# Altium PCB PCB1.PcbDoc (continued)
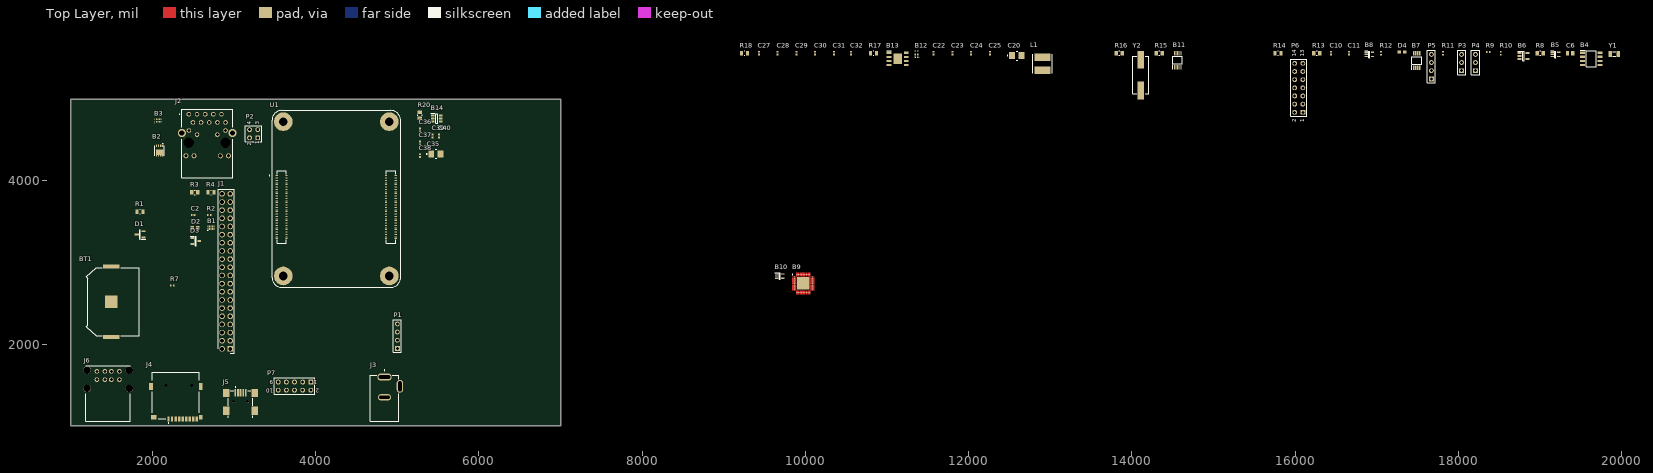
[diagram p0: Top Layer view]
## Footprints (in the part's own frame and the unit in brackets; to place one, negate y for a bottom-side part, rotate by r counter-clockwise, add the part's x,y. Pads: shape width x height; smd on the part's side, far side on the other; paste and mask are expansions set on the pad) (continued)
  Top Layer region: 2.15,3.375 2.151,2.375 2.146,2.336 2.131,2.299 2.107,2.268 2.076,2.244 2.039,2.229 2,2.224 1.961,2.229 1.924,2.244 1.893,2.268 1.869,2.299 1.854,2.336 1.849,2.375 1.85,2.375 1.85,3.375 2.15,3.375
  Top Layer region: 1.65,3.375 1.651,2.375 1.646,2.336 1.631,2.299 1.607,2.268 1.576,2.244 1.539,2.229 1.5,2.224 1.461,2.229 1.424,2.244 1.393,2.268 1.369,2.299 1.354,2.336 1.349,2.375 1.35,2.375 1.35,3.375 1.65,3.375
  Top Layer region: 1.15,3.375 1.151,2.375 1.146,2.336 1.131,2.299 1.107,2.268 1.076,2.244 1.039,2.229 1,2.224 0.961,2.229 0.924,2.244 0.893,2.268 0.869,2.299 0.854,2.336 0.849,2.375 0.85,2.375 0.85,3.375 1.15,3.375
  Top Layer region: 0.65,3.375 0.651,2.375 0.646,2.336 0.631,2.299 0.607,2.268 0.576,2.244 0.539,2.229 0.5,2.224 0.461,2.229 0.424,2.244 0.393,2.268 0.369,2.299 0.354,2.336 0.349,2.375 0.35,2.375 0.35,3.375 0.65,3.375
  Top Layer region: 0.15,3.375 0.151,2.375 0.146,2.336 0.131,2.299 0.107,2.268 0.076,2.244 0.039,2.229 0,2.224 -0.039,2.229 -0.076,2.244 -0.107,2.268 -0.131,2.299 -0.146,2.336 -0.151,2.375 -0.15,2.375 -0.15,3.375 0.15,3.375
  Top Layer region: -0.35,3.375 -0.349,2.375 -0.354,2.336 -0.369,2.299 -0.393,2.268 -0.424,2.244 -0.461,2.229 -0.5,2.224 -0.539,2.229 -0.576,2.244 -0.607,2.268 -0.631,2.299 -0.646,2.336 -0.651,2.375 -0.65,2.375 -0.65,3.375 -0.35,3.375
  Top Layer region: -0.85,3.375 -0.849,2.375 -0.854,2.336 -0.869,2.299 -0.893,2.268 -0.924,2.244 -0.961,2.229 -1,2.224 -1.039,2.229 -1.076,2.244 -1.107,2.268 -1.131,2.299 -1.146,2.336 -1.151,2.375 -1.15,2.375 -1.15,3.375 -0.85,3.375
  Top Layer region: -1.35,3.375 -1.349,2.375 -1.354,2.336 -1.369,2.299 -1.393,2.268 -1.424,2.244 -1.461,2.229 -1.5,2.224 -1.539,2.229 -1.576,2.244 -1.607,2.268 -1.631,2.299 -1.646,2.336 -1.651,2.375 -1.65,2.375 -1.65,3.375 -1.35,3.375
  Top Layer region: -1.85,3.375 -1.849,2.375 -1.854,2.336 -1.869,2.299 -1.893,2.268 -1.924,2.244 -1.961,2.229 -2,2.224 -2.039,2.229 -2.076,2.244 -2.107,2.268 -2.131,2.299 -2.146,2.336 -2.151,2.375 -2.15,2.375 -2.15,3.375 -1.85,3.375
  silkscreen extent -3.5,2.63 -3.25,2.87, body extent -3.05,-3.05 3.05,3.05, height 1
RESC1005X35N [mm]
  rect 0.49x0.6 smd: 1(-0.457,0) 2(0.457,0)
  body extent -0.5,-0.25 0.5,0.25, height 0.35
RESC2012X65N [mm]
  rect 1x1.42 smd: 1(-0.935,0) 2(0.935,0)
  silkscreen extent -0.12,-0.7 0.12,0.7, body extent -1,-0.63 1,0.63, height 0.65
SOIC127P600X163-9N [mm]
  rect 1.525x0.65 smd: 1(-2.688,1.905) 2(-2.688,0.635) 3(-2.688,-0.635) 4(-2.688,-1.905) 5(2.688,-1.905) 6(2.688,-0.635) 7(2.688,0.635) 8(2.688,1.905)
  rect 2.71x3.35 smd: 9(0,0)
  silkscreen extent -3.45,2.58 -1.92,2.58, body extent -3,-2.45 3,2.45, height 1.63
SOIC127P600X175-8N [mm]
  rect 1.55x0.7 smd: 1(-2.725,1.905) 2(-2.725,0.635) 3(-2.725,-0.635) 4(-2.725,-1.905) 5(2.725,-1.905) 6(2.725,-0.635) 7(2.725,0.635) 8(2.725,1.905)
  silkscreen extent -3.5,-2.45 1.6,2.61, body extent -3,-2.45 3,2.45, height 1.46
SOP50P490X110-10N [mm]
  rect 1.4x0.3 smd: 1(-2.2,1) 2(-2.2,0.5) 3(-2.2,0) 4(-2.2,-0.5) 5(-2.2,-1) 6(2.2,-1) 7(2.2,-0.5) 8(2.2,0) 9(2.2,0.5) 10(2.2,1)
  silkscreen extent -2.9,-1.5 1.15,1.5, body extent -2.45,-1.5 2.45,1.5, height 1.1
SOP65P490X110-8N [mm]
  rect 1.45x0.45 smd: 1(-2.225,0.975) 2(-2.225,0.325) 3(-2.225,-0.325) 4(-2.225,-0.975) 5(2.225,-0.975) 6(2.225,-0.325) 7(2.225,0.325) 8(2.225,0.975)
  silkscreen extent -2.95,-1.5 1.15,1.55, body extent -2.45,-1.5 2.45,1.5, height 1.1
SOT65P210X110-5N [mm]
  rect 1x0.4 smd: 1(-1,0.65) 2(-1,0) 3(-1,-0.65) 4(1,-0.65) 5(1,0.65)
  silkscreen extent -1.5,-1 0.15,1.1, body extent -1.05,-1 1.05,1, height 1.1
SOT94P280X100-5N [mm]
  rect 1.25x0.65 smd: 1(-1.25,0.94) 2(-1.25,0) 3(-1.25,-0.94) 4(1.25,-0.94) 5(1.25,0.94)
  silkscreen extent -1.88,-1.45 0.28,1.51, body extent -1.4,-1.45 1.4,1.45, height 1
SOT95P280X145-6N [mm]
  rect 1.15x0.6 smd: 1(-1.25,0.95) 2(-1.25,0) 3(-1.25,-0.95) 4(1.25,-0.95) 5(1.25,0) 6(1.25,0.95)
  silkscreen extent -1.83,-1.45 0.33,1.6, body extent -1.4,-1.45 1.4,1.45, height 1.45
SOT96P237X111-3N [mm]
  rect 1.25x0.6 smd: 1(-1.05,0.955) 2(-1.05,-0.955) 3(1.05,0)
  silkscreen extent -1.68,-1.46 0.08,1.51, body extent -1.18,-1.46 1.18,1.46, height 1.11
SOT96P240X115-3N [mm]
  rect 1.15x0.6 smd: 1(-1.1,0.96) 2(-1.1,-0.96) 3(1.1,0)
  silkscreen extent -1.68,-1.45 0.18,1.51, body extent -1.26,-1.5 1.39,1.5, height 1.08
SRN6045TA330M [mm]
  rect 5.1x2.35 smd: 1(0,-2.075) 2(0,2.075)
  silkscreen extent -3,-3 3,3, body extent -3,-3 3,3, height 3.94
XTAL_CM7V-T1A-32.768KHZ-12.5PF-10PPM-TB-QC [mm]
  rect 1x1.8 smd: 1(-1.25,0) 2(1.25,0)
  silkscreen extent -0.43,-0.75 0.43,0.75, body extent -1.6,-0.75 1.6,0.75, height 0.65
XTAL_FOXSDLF/240F-20 [mm]
  rect 5.5x2 smd: 1(-4.75,0) 2(4.75,0)
  silkscreen extent -5.85,-2.5 5.85,2.5, body extent -6.75,-2.5 6.75,2.5, height 4.5

## Part data
B1 B3 B12: "Texas Instruments TPD4EUSB30DQAR, USB Controller, 6Gbit/s, USB 3.0, 10-Pin SON", Manufacturer_Name="Texas Instruments", Mouser Part Number=595-TPD4EUSB30DQAR, Arrow Part Number=TPD4EUSB30DQAR, Arrow Price/Stock=https://www.arrow.com/en/products/tpd4eusb30dqar/texas-instruments?utm_currency=USD&region=nac, Datasheet Link=http://www.ti.com/lit/gpn/tpd4eusb30, Manufacturer_Part_Number=TPD4EUSB30DQAR, Mouser Price/Stock=https://www.mouser.co.uk/ProductDetail/Texas-Instruments/TPD4EUSB30DQAR?qs=Ze4%2FuFuz19JpY4uqYOLMbQ%3D%3D
B2: "Trans MOSFET P-CH 30V 12A 8-Pin PowerDI EP T/R", Manufacturer_Name="Diodes Incorporated", Mouser Part Number=621-DMP3013SFV-7, Arrow Part Number=DMP3013SFV-7, Arrow Price/Stock=https://www.arrow.com/en/products/dmp3013sfv-7/diodes-incorporated?utm_currency=USD&region=nac, Datasheet Link=https://www.diodes.com//assets/Datasheets/DMP3013SFV.pdf, Manufacturer_Part_Number=DMP3013SFV-7, Mouser Price/Stock=https://www.mouser.co.uk/ProductDetail/Diodes-Incorporated/DMP3013SFV-7?qs=W0yvOO0ixfH1hnmiAtL1VQ%3D%3D
B4: "Real Time Clock Low Power Real time clocks", Arrow Part Number=PCF85063AT/AAZ, Manufacturer_Name=NXP, Mouser Part Number=771-PCF85063AT/AAZ, Arrow Price/Stock=https://www.arrow.com/en/products/pcf85063ataaz/nxp-semiconductors?region=nac, Datasheet Link=http://www.nxp.com/docs/en/data-sheet/PCF85063A.pdf, Geometry.Height=1.75mm, Manufacturer_Part_Number=PCF85063AT/AAZ, Mouser Price/Stock=https://www.mouser.co.uk/ProductDetail/NXP-Semiconductors/PCF85063AT-AAZ?qs=sV%252BQJnSpgu9E5WpV9lmUdg%3D%3D
B5 B8 B10: "Buffers & Line Drivers Single Gate Open Out 1.65 to 5.5V 32mA", Manufacturer_Name="Diodes Incorporated", Mouser Part Number=621-74LVC1G07SE-7, Arrow Part Number=74LVC1G07SE-7, Arrow Price/Stock=https://www.arrow.com/en/products/74lvc1g07se-7/diodes-incorporated?utm_currency=USD&region=europe, Datasheet Link=https://www.diodes.com//assets/Datasheets/74LVC1G07.pdf, Geometry.Height=1.1mm, Manufacturer_Part_Number=74LVC1G07SE-7, Mouser Price/Stock=https://www.mouser.co.uk/ProductDetail/Diodes-Incorporated/74LVC1G07SE-7?qs=abZ1nkZpTuNoZmx9wrxFdA%3D%3D
B6: "POWER LOAD SWITCH, HIGH SIDE, TSOT-23-5; Power Load Switch Type:High Side; Input Voltage:6V; Current Limit:1.1A; On State Resistance:0.07ohm; Distribution Switch Case Style:TSOT-23; No. of Pins:5Pins; Thermal Protection:Yes; On / RoHS Compliant: Yes", Manufacturer_Name=RICHTEK, Mouser Part Number=835-RT9742GGJ5, Datasheet Link=https://componentsearchengine.com/Datasheets/2/RT9742GGJ5.pdf, Geometry.Height=1mm, Manufacturer_Part_Number=RT9742GGJ5, Mouser Price/Stock=https://www.mouser.co.uk/ProductDetail/Richtek/RT9742GGJ5?qs=amGC7iS6iy%2FZU2tAnLZxIA%3D%3D
B7: "RPM-Based PWM Fan Speed Controller MSOP8", Manufacturer_Name=Microchip, Mouser Part Number=886-EMC2301-1-ACZLTR, Arrow Part Number=EMC2301-1-ACZL-TR, Arrow Price/Stock=https://www.arrow.com/en/products/emc2301-1-aczl-tr/microchip-technology?region=nac, Datasheet Link=http://www.microchip.com/mymicrochip/filehandler.aspx?ddocname=en562400, Geometry.Height=1.1mm, Manufacturer_Part_Number=EMC2301-1-ACZL-TR, Mouser Price/Stock=https://www.mouser.co.uk/ProductDetail/Microchip-Technology/EMC2301-1-ACZL-TR?qs=pA5MXup5wxFdFYiBpDRrfw%3D%3D
B9: "Microchip USB2514B-I/M2, USB Controller, USB 2.0, 3.3 V, 36-Pin SQFN", Arrow Part Number=USB2514B-I/M2, Manufacturer_Name=Microchip, Mouser Part Number=579-USB2514B-I/M2, Arrow Price/Stock=https://www.arrow.com/en/products/usb2514b-im2/microchip-technology?region=nac, Datasheet Link=http://ww1.microchip.com/downloads/en/DeviceDoc/00001692C.pdf, Geometry.Height=1mm, Manufacturer_Part_Number=USB2514B-I/M2, Mouser Price/Stock=https://www.mouser.co.uk/ProductDetail/Microchip-Technology/USB2514B-I-M2?qs=uus7iwvxYD%252BYUekNs2mWlw%3D%3D
B11: "15A Maximum ICCT over and Expanded Control Voltage Range (VIN= 1.8V, VCC= 4.3V) ; Packaged in: ; Low On Resistance: 3.9 Typical ; 8kV ESD Rating, >16kV Power/GND ESD Rating ; 10-Lead MSOP ; Low Power Consumption: 1A Maximum ; Wide -3dB Bandwitch: > 720MHz ; Low On Capacitance: 3.7pF Typical ; Over-Voltage Tolerance (OVT) on all USB Ports Up to 5.25V without External Components; 10-Lead UMLP (1.4 x 1.8mm)", Manufacturer_Name=onsemi, Mouser Part Number=512-FSUSB42MUX, Arrow Part Number=FSUSB42MUX, Arrow Price/Stock=https://www.arrow.com/en/products/fsusb42mux/on-semiconductor?utm_currency=USD&region=nac, Datasheet Link=https://www.onsemi.com/pub/Collateral/FSUSB42-D.PDF, Geometry.Height=1.1mm, Manufacturer_Part_Number=FSUSB42MUX, Mouser Price/Stock=https://www.mouser.co.uk/ProductDetail/onsemi-Fairchild/FSUSB42MUX?qs=yA6kp8fx8Y59RAD4iJDRWg%3D%3D
B13: "Conv DC-DC 3.8V to 40V Synchronous Step Down Single-Out 0.8V to 39V 5A 8-Pin SO EP T/R", Manufacturer_Name="Diodes Incorporated", Mouser Part Number=621-AP64501SP-13, Arrow Part Number=AP64501SP-13, Arrow Price/Stock=https://www.arrow.com/en/products/ap64501sp-13/diodes-incorporated?utm_currency=USD&region=nac, Datasheet Link=https://www.diodes.com//assets/Datasheets/AP64501.pdf, Geometry.Height=1.63mm, Manufacturer_Part_Number=AP64501SP-13, Mouser Price/Stock=https://www.mouser.co.uk/ProductDetail/Diodes-Incorporated/AP64501SP-13?qs=P1JMDcb91o7FS0GU%252BW7TIQ%3D%3D
B14: "Power Switch ICs - Power Distribution 1-Ch Precision Curr-Limit Load SW", Manufacturer_Name="Diodes Incorporated", Mouser Part Number=621-AP22653W6-7, Arrow Part Number=AP22653W6-7, Arrow Price/Stock=null?region=asia, Datasheet Link=https://www.diodes.com//assets/Datasheets/AP22652_53_52A_53A.pdf, Geometry.Height=1.45mm, Manufacturer_Part_Number=AP22653W6-7, Mouser Price/Stock=https://www.mouser.co.uk/ProductDetail/Diodes-Incorporated/AP22653W6-7?qs=rkhjVJ6%2F3ELFrpB7eThLLg%3D%3D
BT1: "SMT Holder for 20mm Cell-Tin Nickel Plate", Package=None, Availability="Not in stock", Check_prices=https://www.snapeda.com/parts/3034/Keystone+Electronics/view-part/?ref=eda, MF="Keystone Electronics Corp.", MP=3034, Price=None, SnapEDA_Link=https://www.snapeda.com/parts/3034/Keystone+Electronics/view-part/?ref=snap
C2 C10 C11 C22 C23 C24 C25 C27 C28 C29 C30 C31 C32 C36 C37 C38 C39 C40: library part C2012X6S1C106K125AC, "C Series 0805 10 uF 16 V Â±10 % Tolerance X6S SMT Multilayer Ceramic Capacitor", Package="2012 TDK", Check_prices=https://www.snapeda.com/parts/C2012X6S1C106K125AC/TDK-Lambda+Americas+Inc/view-part/?ref=eda, MF=TDK, MP=C2012X6S1C106K125AC, Purchase-URL=https://pricing.snapeda.com/search/part/C2012X6S1C106K125AC/?ref=eda, SnapEDA_Link=https://www.snapeda.com/parts/C2012X6S1C106K125AC/TDK-Lambda+Americas+Inc/view-part/?ref=snap
C6: library part GRM21BC8YA106ME11L, "Multilayer Ceramic Capacitors MLCC - SMD/SMT 0805 10uF 35volts *Derate Voltage/Temp", Manufacturer_Name="Murata Electronics", Mouser Part Number=81-GRM21BC8YA106ME1L, Datasheet Link=https://search.murata.co.jp/Ceramy/image/img/A01X/G101/ENG/GRM21BC8YA106ME11-01A.pdf, Geometry.Height=1.45mm, Manufacturer_Part_Number=GRM21BC8YA106ME11L, Mouser Price/Stock=https://www.mouser.co.uk/ProductDetail/Murata-Electronics/GRM21BC8YA106ME11L?qs=K0Sa7bCb58JXd%2FLXsBufTg%3D%3D
C20 C35: library part T543B107K006AHW025, "100 ÂµF Molded Tantalum Polymer Capacitor 6.3 V 1411 (3528 Metric) 25mOhm @ 100kHz", Package="SMD-2 Kemet", Check_prices=https://www.snapeda.com/parts/T543B107K006AHW025/KEMET/view-part/?ref=eda, MF=KEMET, MP=T543B107K006AHW025, SnapEDA_Link=https://www.snapeda.com/parts/T543B107K006AHW025/KEMET/view-part/?ref=snap
D1: "225 mW Rating on FR-4 or FR-5 Board; Zener Voltage Range - 2.4 V to 91 V; Package Designed for Optimal Automated Board Assembly; Small Package Size for High Density Applications; ESD Rating of Class 3 (>16 KV) per Human Body Model Mechanical Characteristics; CASE: Void-free, transfer-molded, thermosetting plastic case; FINISH: Corrosion resistant finish, easily solderable; MAXIMUM CASE TEMPERATURE FOR SOLDERING PURPOSES: 260C for 10 Seconds; POLARITY: Cathode indicated by polarity band; FLAMMABILITY RATING:", Manufacturer_Name=onsemi, Mouser Part Number=863-MMBZ5242BLT3G, Arrow Part Number=MMBZ5242BLT3G, Arrow Price/Stock=https://www.arrow.com/en/products/mmbz5242blt3g/on-semiconductor?utm_currency=USD&region=nac, Datasheet Link=https://www.onsemi.com/pub/Collateral/MMBZ5221BLT1-D.PDF, Geometry.Height=1.11mm, Manufacturer_Part_Number=MMBZ5242BLT3G, Mouser Price/Stock=https://www.mouser.co.uk/ProductDetail/onsemi/MMBZ5242BLT3G?qs=P4IOph%252Bbot8zm7%252BOlKh6Qw%3D%3D
D2: library part LTST-S270KGKT, "Green 571nm LED Indication - Discrete 2V 0603 _1608 Metric_", Package="0603 Lite-On", Availability=Unavailable, MF="Lite-On Inc.", MP=LTST-S270KGKT, Price=None, SnapEDA_Link=https://www.snapeda.com/parts/LTST-S270KGKT/Lite-On%20Inc./view-part/268457/?ref=snap
D3: "DiodesZetex   ,  30V, 3 SOT-23,  +150 C", Manufacturer_Name="Diodes Incorporated", Mouser Part Number=621-BAT54C-F, Arrow Part Number=BAT54C-7-F, Arrow Price/Stock=https://www.arrow.com/en/products/bat54c-7-f/diodes-incorporated?utm_currency=USD&region=nac, Datasheet Link=https://www.diodes.com//assets/Datasheets/BAT54_A_C_S.pdf, Geometry.Height=1.15mm, Manufacturer_Part_Number=BAT54C-7-F, Mouser Price/Stock=https://www.mouser.co.uk/ProductDetail/Diodes-Incorporated/BAT54C-7-F?qs=A%2FGeX6qn32NJhN9M%2F3GNcA%3D%3D
D4: library part LTST-S270KRKT, "http://octopart.com/ltst-c190tbkt-lite-on-550003", Package=None, Availability=Unavailable, MF="{'manufacturer': u'Lite-On Inc.'}", MP=LTST-S270KRKT, Price=None
J1: "2.54MM ... PRPC040SBAN-M71RC, CONN HEADER R/A 40POS 2.54MM, Header, Breakaway, Male Pin, 0.100\" (2.54mm), 40,", Manufacturer_Name=valcon, Datasheet Link=https://datasheet.octopart.com/THD-20-R-Valcon-datasheet-116534095.pdf, Geometry.Height=8.9mm, Manufacturer_Part_Number=THD-20-R
J2: "1 Port RJ45 Magjack Connector Through Hole 10/100 Base-T, AutoMDIX", Manufacturer_Name="Bel Magnetic Solutions", Datasheet Link=http://www.link-pp.com/upload/file/20180411/20180411182938293829.pdf, Geometry.Height=13.3mm, Manufacturer_Part_Number=MAGJACK-A70-112-331N126
J3: "Power Barrel Connector Jack 2.05mm ID (0.081), 5.50mm OD (0.217) Through Hole, Right Angle", Package=None, Check_prices=https://www.snapeda.com/parts/DCJ200-10-A-K1-K/Global+Connector+Technology/view-part/?ref=eda, MF="Global Connector Technology", MP=DCJ200-10-A-K1-K, SnapEDA_Link=https://www.snapeda.com/parts/DCJ200-10-A-K1-K/Global+Connector+Technology/view-part/?ref=snap
J4: "Memory Card Connectors MICRO SD CARD CONNECTOR WITH PUSH PUSH EJECT ACTION", Manufacturer_Name="Olimex Ltd.", Mouser Part Number=N/A, Datasheet Link=https://www.olimex.com/Products/Components/Connectors/MICRO-SD-CARD/resources/MICRO-SDCARD-1.jpg, Geometry.Height=2mm, Manufacturer_Part_Number=MICRO-SD-CARD, Mouser Price/Stock=https://www.mouser.co.uk/ProductDetail/Olimex-Ltd/MICRO-SD-CARD?qs=Rp5uXu7WBW8fXUZTWj6z0w%3D%3D
J5: "USB - mini B USB 2.0 Receptacle Connector 5 Position Surface Mount, Right Angle", Package=None, Availability=Good, Check_prices=https://www.snapeda.com/parts/690-005-299-043/EDAC%20Inc./view-part/347309/?ref=eda, MF="EDAC Inc.", MP=690-005-299-043, Price=None, Purchase-URL=https://pricing.snapeda.com/search/part/690-005-299-043/?ref=eda, SnapEDA_Link=https://www.snapeda.com/parts/690-005-299-043/EDAC%20Inc./view-part/347309/?ref=snap
J6: "USB-A (USB TYPE-A), Stacked - Receptacle Connector 8 Position Through Hole, Right Angle", Package=None, Availability="In Stock", Check_prices=https://www.snapeda.com/parts/67298-4090/Molex/view-part/?ref=eda, MF=Molex, MP=67298-4090, Price=None, Purchase-URL=https://pricing.snapeda.com/search/part/67298-4090/?ref=eda, SnapEDA_Link=https://www.snapeda.com/parts/67298-4090/Molex/view-part/?ref=snap
L1: "BOURNS - SRN6045TA-3R3Y - INDUCTOR, AEC-Q200, 3.3UH, 5A, 30% Semi-shielded Power Inductors", Manufacturer_Name=Bourns, Mouser Part Number=652-SRN6045TA-3R3Y, Arrow Part Number=SRN6045TA-3R3Y, Arrow Price/Stock=https://www.arrow.com/en/products/srn6045ta-3r3y/bourns?utm_currency=USD&region=europe, Datasheet Link=http://www.bourns.com/docs/Product-Datasheets/SRN6045TA.pdf, Geometry.Height=4.5mm, Manufacturer_Part_Number=SRN6045TA-3R3Y, Mouser Price/Stock=https://www.mouser.co.uk/ProductDetail/Bourns/SRN6045TA-3R3Y?qs=Vt59ZOdFuWZ4MyJAxNBCDg%3D%3D
P1 P5: "Header, 4-Pin", LatestRevisionDate=17-Jul-2002, LatestRevisionNote="Re-released for DXP Platform.", Publisher="Altium Limited"
P2: "Header, 2-Pin, Dual row", LatestRevisionDate=17-Jul-2002, LatestRevisionNote="Re-released for DXP Platform.", Publisher="Altium Limited"
P3 P4: "Header, 3-Pin", LatestRevisionDate=17-Jul-2002, LatestRevisionNote="Re-released for DXP Platform.", Publisher="Altium Limited"
P6: "Header, 7-Pin, Dual row", LatestRevisionDate=17-Jul-2002, LatestRevisionNote="Re-released for DXP Platform.", Publisher="Altium Limited"
P7: "Header, 5-Pin, Dual row", LatestRevisionDate=17-Jul-2002, LatestRevisionNote="Re-released for DXP Platform.", Publisher="Altium Limited"
R1 R8 R13 R14 R15 R17 R18 R20: library part CPF0402B12K1E1, "Surface Mount Thin Film Resistor, Cpf Series, 12.1 Kohm, 63 Mw, - 0.1%, 25 V", Package=None, Availability=Unavailable, MP=CPF0402B12K1E1, Price=None
R2 R7 R9 R10 R11 R12: library part CPF0402B1K1E1, "CPF 0402 1K1 0.1% 25PPM 1K RL", Package=None, Availability=Unavailable, MP=CPF0402B1K1E1, Price=None
R3 R4: library part CPF0402B470RE1, "CPF 0402 470R 0.1% 25PPM 1K RL", Package=None, Availability=Unavailable, MP=CPF0402B470RE1, Price=None
R16: library part CPF0805B20RE1, "CPF 0805 20R 0.1% 25PPM 1K RL", Package=None, Availability=Unavailable, MP=CPF0805B20RE1, Price=None
U1: "Raspberry Pi Compute Module 4 with WiFi 2GB RAM 8GB Flash", Package=None, Check_prices=https://www.snapeda.com/parts/CM4102008/Raspberry+Pi/view-part/?ref=eda, MF="Raspberry Pi", MP=CM4102008, SnapEDA_Link=https://www.snapeda.com/parts/CM4102008/Raspberry+Pi/view-part/?ref=snap
Y1: "Tuning Fork Crystal 32.768kHz in SMD 1.5 x 3.2 mm package", Package="SMD-2 Micro Crystal", Check_prices=https://www.snapeda.com/parts/CM7V-T1A-32.768KHZ-12.5PF-10PPM-TB-QC/Micro+Crystal/view-part/?ref=eda, MF="Micro Crystal", MP=CM7V-T1A-32.768KHZ-12.5PF-10PPM-TB-QC, SnapEDA_Link=https://www.snapeda.com/parts/CM7V-T1A-32.768KHZ-12.5PF-10PPM-TB-QC/Micro+Crystal/view-part/?ref=snap
Y2: "24 MHz Â±30 ppm Cristal 20 pF 30 ohmios HC-49/US", Package="HC49SD Fox Electronics", Check_prices=https://www.snapeda.com/parts/FOXSDLF/240F-20/Fox+Electronics/view-part/?ref=eda, MF="Fox Electronics", MP=FOXSDLF/240F-20, SnapEDA_Link=https://www.snapeda.com/parts/FOXSDLF/240F-20/Fox+Electronics/view-part/?ref=snap

## Nets (pads, with @x,y where several pads share a name; then routed paths per layer and width w, separated by ;. In a path a pad name is that pad's centre, name@x,y a point inside that pad or via, vN(x,y) a via of type N, cw(c..) or ccw(c..) an arc to the next point about the centre after c; other vN are vias at no path point)
"1.8 V": U1.88
"3.3 V": B6.4 B7.3 B8.5 B9.5 B9.10 B9.15 B9.23 B9.27 B9.29 B9.35 B9.36 B11.1 C10.2 C11.2 D2.2 D3.2 D4.2 J1.1 J1.17 J2.15 J2.17 R7.2 R8.2 R11.2 R13.2 U1.84
"5 V": B1.3 B2.1 B3.3 B4.4 B5.5 B6.2 B7.4 B8.3 B10.3 B10.5 B11.5 B11.10 B12.3 B12.8 B13.2 B13.3 B14.1 B14.2 BT1.P1 BT1.P2 C2.1 C2.2 C6.1 C10.1 C11.1 C20.1 C20.2 C22.1 C22.2 C23.1 C23.2 C24.1 C24.2 C25.1 C25.2 C27.1 C27.2 C28.1 C28.2 C29.1 C29.2 C30.1 C30.2 C31.1 C31.2 C32.1 C32.2 C35.2 C36.1 C36.2 C37.1 C38.1 C39.1 C40.1 D1.3 D4.1 J1.2 J1.4 J1.6 J1.9 J1.14 J1.20 J1.25 J1.30 J1.34 J1.39 J2.MH1 J2.MH2 J3.2 J3.3 J4.6 J4.G1 J5.5 J5.S1 J5.S2 J5.S3 J5.S4 J6.4 J6.8 L1.2 P1.1 P1.2 P1.3 P1.4 P3.2 P4.2 P5.1 P5.2 P6.1 P6.3 P6.7 P6.10 P6.12 P7.7 P7.8 R1.1 R9.1 R10.1 R12.2 R13.1 R15.2 R17.2 R20.2 U1.1 U1.2 U1.7 U1.8 U1.13 U1.14 U1.22 U1.23 U1.32 U1.33 U1.42 U1.43 U1.52 U1.53 U1.59 U1.60 U1.65 U1.66 U1.71 U1.74 U1.77 U1.98 U1.107 U1.108 U1.113 U1.114 U1.119 U1.120 U1.125 U1.126 U1.131 U1.132 U1.137 U1.138 U1.144 U1.150 U1.155 U1.156 U1.161 U1.162 U1.167 U1.168 U1.173 U1.174 U1.179 U1.180 U1.185 U1.186 U1.191 U1.192 U1.197 U1.198
AIN0: P6.5 U1.96
AIN1: P6.6 U1.94
BT_DIS: P3.3 P4.3 U1.91
EEPROM_WP: P6.4 U1.20
"ETH_LED G": R3.2 U1.17
"ETH_LED Y": R4.2 U1.15
EXTRST: B9.26 U1.100
GLOBAL_EN: B5.4 P6.14 U1.99
GPIO2: J1.3 U1.58
GPIO3: J1.5 U1.56
GPIO4: J1.7 U1.54
GPIO5: J1.29 U1.34
GPIO6: J1.31 U1.30
GPIO7: J1.26 U1.37
GPIO8: J1.24 U1.39
GPIO9: J1.21 U1.40
GPIO10: J1.19 U1.44
GPIO11: J1.23 U1.38
GPIO12: J1.32 U1.31
GPIO13: J1.33 U1.28
GPIO14: J1.8 U1.55
GPIO15: J1.10 U1.51
GPIO16: J1.36 U1.29
GPIO17: J1.11 U1.50
GPIO18: J1.12 U1.49
GPIO19: J1.35 U1.26
GPIO20: J1.38 U1.27
GPIO21: J1.40 U1.25
GPIO22: J1.15 U1.46
GPIO23: J1.16 U1.47
GPIO24: J1.18 U1.45
GPIO25: J1.22 U1.41
GPIO26: J1.37 U1.24
GPIO27: J1.13 U1.48
GPIO_VREF: U1.78
HD1_N: B9.1 J6.2
HD1_P: B9.2 J6.3
HD2_N: B9.3 J6.6
HD2_P: B9.4 J6.7
HD3_N: B9.6 P7.3
HD3_P: B9.7 P7.5
HD4_N: B9.8 P7.4
HD4_P: B9.9 P7.6
ID_SC: J1.28 U1.35
ID_SD: J1.27 U1.36
NetB2_4: B2.4 D1.1 R1.2
NetB2_5: B2.5 J3.1
NetB4_1: B4.1 Y1.2
NetB4_2: B4.2 Y1.1
NetB4_8: B4.8 D3.3
NetB5_2: B5.2 R10.2
NetB7_5: B7.5 P5.4
NetB7_6: B7.6 P5.3 R11.1
NetB8_4: B8.4 R12.1
NetB10_4: B10.4 P6.13
NetB13_1: B13.1
NetB13_4: B13.4
NetB13_5: B13.5 R17.1
NetB13_6: B13.6 R18.2
NetB13_8: B13.8 L1.1 R16.2
NetB14_5: B14.5 R20.1
NetB14_6: B14.6 C35.1 C37.2 C38.2 C39.2 C40.2
NetBT1_N: BT1.N D3.1
NetC3_2: J2.4 J2.5
NetC6_2: C6.2 J4.4
NetC21_2: R16.1
NetC41_2: R18.1
NetD2_1: D2.1 R2.2
NetJ2_16: J2.16 R3.1
NetJ2_18: J2.18 R4.1
NetJ4_CD1: J4.CD1 R7.1
NetJ5_1: J5.1 R14.1
NetR2_1: R2.1 U1.21
nOCS1: B9.13 B9.17 B9.19 B9.21 B14.4
nRTC_INT: B4.3 R9.2
PLL: B9.33 Y2.1
PWR1: B9.12 B14.3
PWR_LED: B8.2 U1.95
REVERSED: J4.MP1 U1.76
RIBOOT: P6.2 U1.93
RUN_PG: B10.2 U1.92
SCL0: B7.2 U1.80
SD_CLK: J4.5 U1.57
SD_CMD: J4.3 U1.62
SD_DAT0: J4.2 J4.7 U1.61
SD_DAT1: J4.8 U1.67
SD_DAT2: J4.1 U1.69
SD_PWR_ON: B6.1 B6.5 R8.1 U1.75
SDA0: B7.1 U1.82
SYNC_IN: P6.8 U1.16
SYNC_OUT: P6.9 U1.18
TR0_TAP: J2.11 P2.3
TR1_TAP: J2.12 P2.1
TR2_TAP: J2.13 P2.2
TR3_TAP: J2.14 P2.4
TRD0_N: B3.4 J2.2 U1.10
TRD0_P: B3.5 J2.1 U1.12
TRD1_N: B3.2 J2.6 U1.6
TRD1_P: B3.1 J2.3 U1.4
TRD2_N: B1.4 J2.8 U1.9
TRD2_P: B1.5 J2.7 U1.11
TRD3_N: B1.2 J2.10 U1.5
TRD3_P: B1.1 J2.9 U1.3
TV_OUT: P6.11
USB2_N: B11.3
USB2_P: B11.4
USBD_N: B9.30 B11.6 B11.8 B12.4 J5.2
USBD_P: B11.9 B12.5 J5.3
USBH_P: B9.31 B11.7
USBOTG: B11.2 R14.2 R15.1
VBUS: J6.1 J6.5 P7.1 P7.2
WL_DIS: P3.1 P4.1 U1.89
XTAL: B9.32 Y2.2
pads on no net: B1.6 B1.7 B1.8 B1.9 B1.10 B2.2 B2.3 B2.6 B2.7 B2.8 B2.9 B3.6 B3.7 B3.8 B3.9 B3.10 B4.5 B4.6 B4.7 B5.1 B5.3 B6.3 B7.7 B7.8 B8.1 B9.11 B9.14 B9.16 B9.18 B9.20 B9.22 B9.24 B9.25 B9.28 B9.34 B9.37 B10.1 B12.1 B12.2 B12.6 B12.7 B12.9 B12.10 B13.7 B13.9 D1.2 J2.MH3 J2.MH4 J4.MH1 J4.MH2 J4.MP2 J4.MP3 J5. J5.4 J6. P7.9 P7.10 U1.19 U1.63 U1.64 U1.68 U1.70 U1.72 U1.73 U1.79 U1.81 U1.83 U1.85 U1.86 U1.87 U1.90 U1.97 U1.101 U1.102 U1.103 U1.104 U1.105 U1.106 U1.109 U1.110 U1.111 U1.112 U1.115 U1.116 U1.117 U1.118 U1.121 U1.122 U1.123 U1.124 U1.127 U1.128 U1.129 U1.130 U1.133 U1.134 U1.135 U1.136 U1.139 U1.140 U1.141 U1.142 U1.143 U1.145 U1.146 U1.147 U1.148 U1.149 U1.151 U1.152 U1.153 U1.154 U1.157 U1.158 U1.159 U1.160 U1.163 U1.164 U1.165 U1.166 U1.169 U1.170 U1.171 U1.172 U1.175 U1.176 U1.177 U1.178 U1.181 U1.182 U1.183 U1.184 U1.187 U1.188 U1.189 U1.190 U1.193 U1.194 U1.195 U1.196 U1.199 U1.200 U1.SH1 U1.SH2 U1.SH3 U1.SH4

## Text inside footprints (layer, text, board x,y; h text height)
J5: Mechanical 13 "PCB EDGE" at 3307.09,1100 h32
P2: Top Overlay "1" at 3308.98,4447.56 h50 r90; Top Overlay "2" at 3208.98,4427.56 h50 r90; Top Overlay "4" at 3208.98,4687.56 h50 r90; Top Overlay "3" at 3308.98,4687.56 h50 r90
P6: Top Overlay "2" at 16015,4720 h50 r90; Top Overlay "1" at 16115,4720 h50 r90; Top Overlay "14" at 16015,5520 h50 r90; Top Overlay "13" at 16115,5520 h50 r90
P7: Top Overlay "10" at 3480.16,1455.43 h50 r180; Top Overlay "9" at 3480.16,1555.43 h50 r180; Top Overlay "1" at 4020.16,1555.43 h50 r180; Top Overlay "2" at 4040.16,1455.43 h50 r180
U1: Mechanical 13 "1-100" at 3582.68,3681.1 h32 r90; Mechanical 13 "101-200" at 4921.26,3681.1 h32 r90